# Altium PCB graviton.PcbDoc (part 1 of 15) (continued)
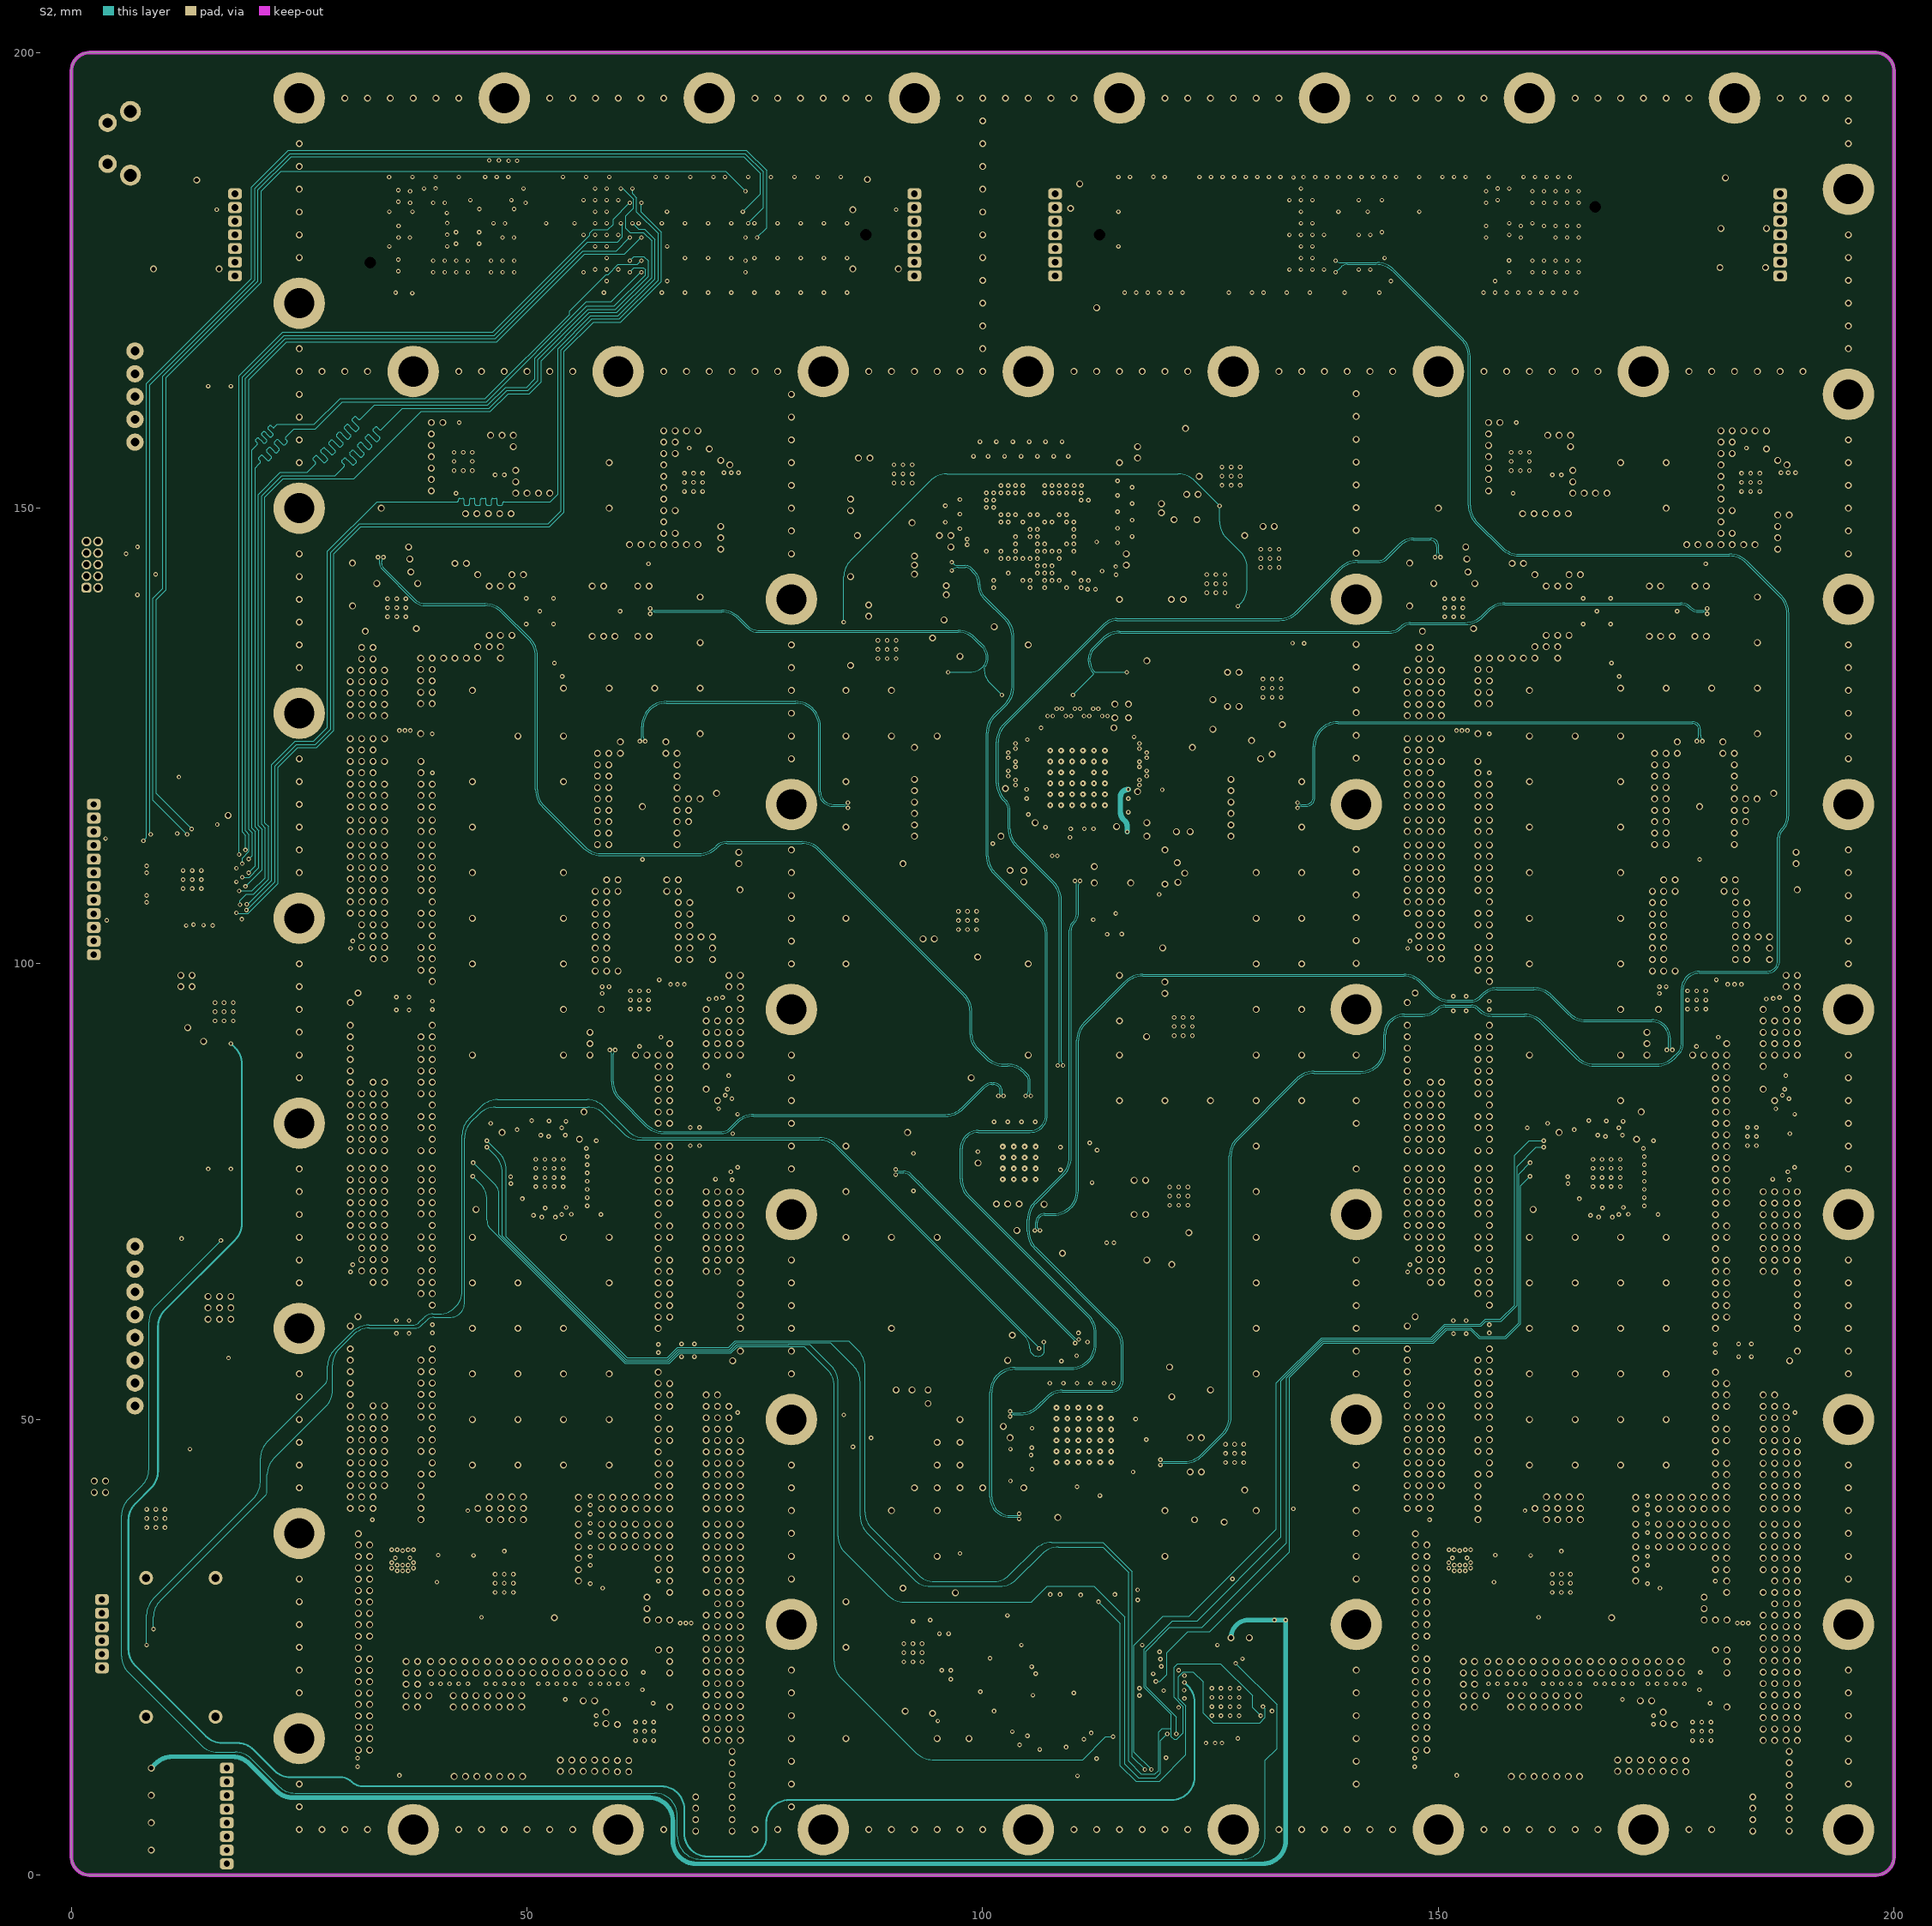
[diagram p8: S2]
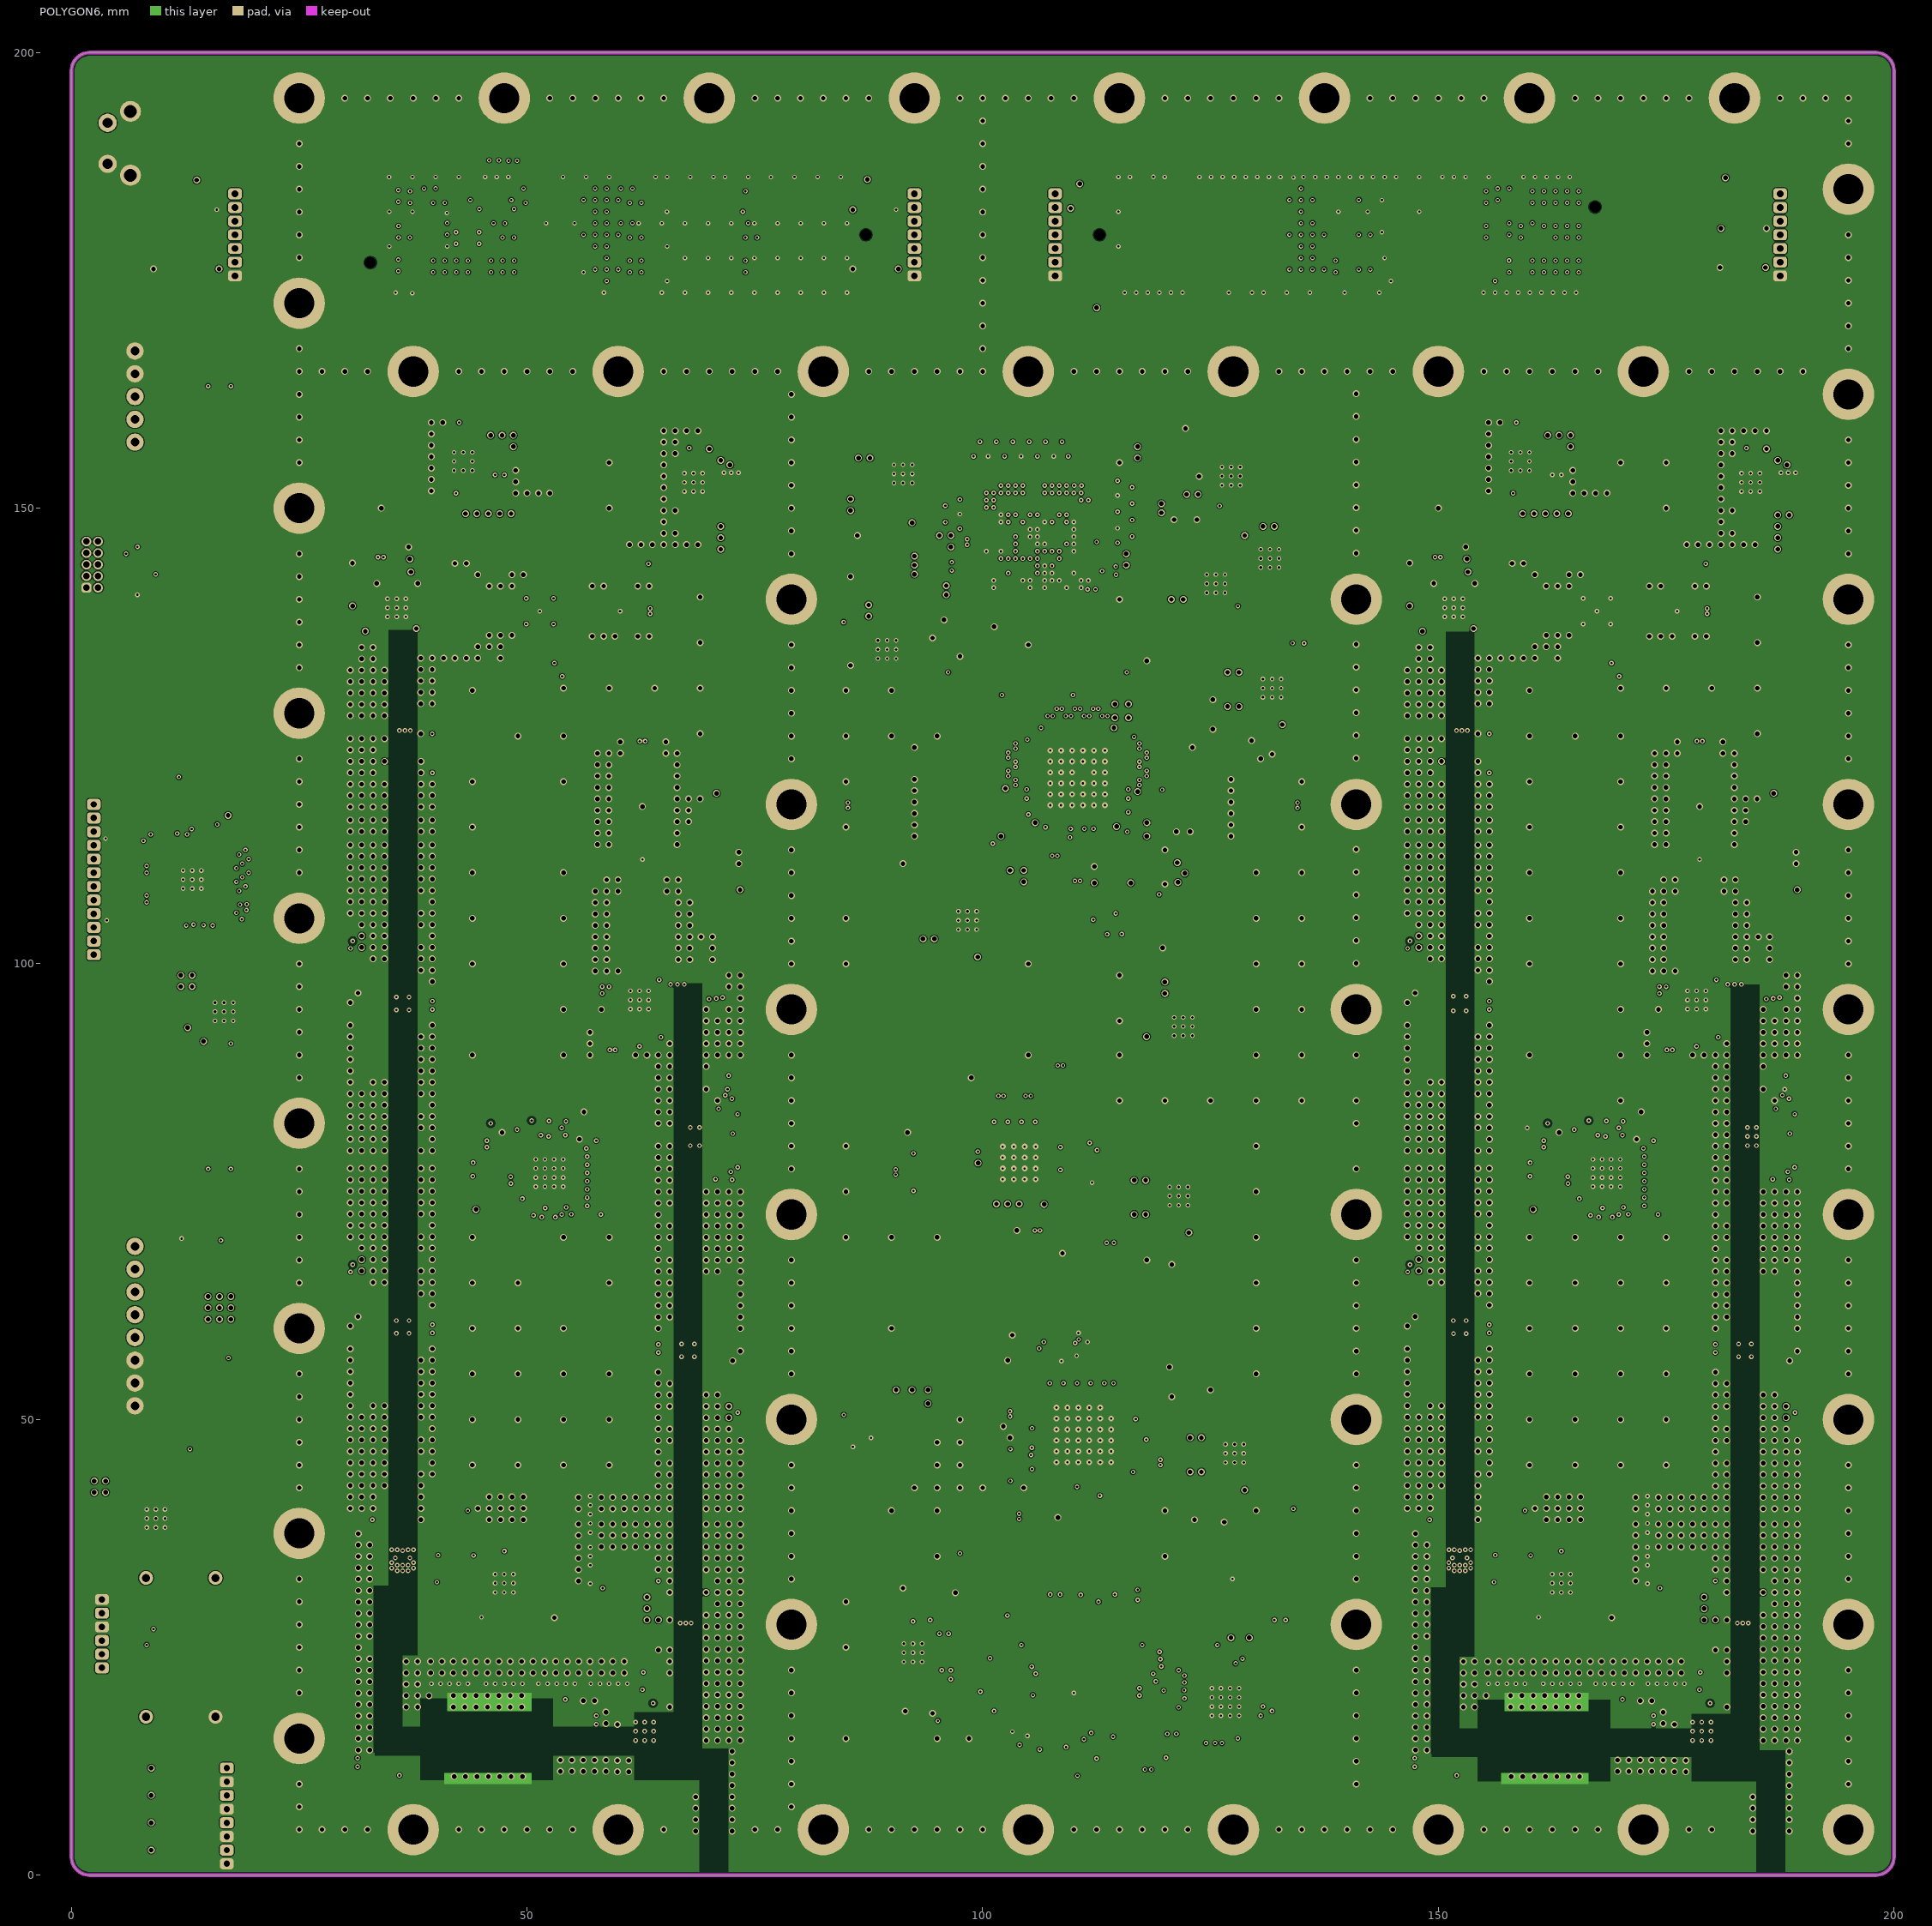
[diagram p9: POLYGON6]

## Layer stack, top to bottom
Top Solder: solder mask 0.0127, Solder Resist, Dk 4
TOP: signal copper 0.036
Dielectric1: prepreg 0.1727, Megtron6, Dk 4
POLYGON1: signal copper 0.071
Dielectric 4: core 0.1016, Megtron6, Dk 4
S1: signal copper 0.036
Dielectric 18: prepreg 0.0762, Megtron6, Dk 4
POLYGON2: signal copper 0.071
Dielectric 11: core 0.1016, Megtron6, Dk 4
POLYGON3: signal copper 0.071
Dielectric 13: core 0.1295, Megtron6, Dk 4
POLYGON4: signal copper 0.071
Dielectric 6: prepreg 0.1016, Megtron6, Dk 4
POLYGON5: signal copper 0.071
Dielectric 7: prepreg 0.0762, Megtron6, Dk 4
S2: signal copper 0.036
Dielectric 16: core 0.1016, Megtron6, Dk 4
POLYGON6: signal copper 0.071
Dielectric2: dielectric 0.32, FR-4, Dk 4.8
BOT: signal copper 0.036
Bottom Solder: solder mask 0.0127, Solder Resist, Dk 4

## Board outline
0,2 ccw(c2,2) 2,0 198,0 ccw(c198,2) 200,2 200,198 ccw(c198,198) 198,200 2,200 ccw(c2,198) 0,198

## Design rules (kind name [scope] priority, off if disabled: settings)
AssemblyTestPointUsage [All] p1 off:
AssemblyTestpoint [All] p1 off: testpointundercomponent=TRUE minsize=1.016 maxsize=2.54 preferedsize=1.524 minholesize=0 maxholesize=1.016 preferedholesize=0.813 testpointgrid=0.025 usegrid=TRUE gridtolerance=0 allowsidetop=TRUE allowsidebottom=TRUE
BoardOutlineClearance [All] p1: gap=0.381 ignorepadtopadclearanceinfootprint=FALSE
Clearance Clearance_eth [InNetClass('eth')] p1: gap=0.1 ignorepadtopadclearanceinfootprint=FALSE except(0.254: Arc-Arc Arc-Track Track-Track)
Clearance Clearance_Diff_100_L12_adj [InNetClass('z100diff12')] p2: gap=0.1 ignorepadtopadclearanceinfootprint=FALSE except(0.22: Arc-Arc Arc-Track Track-Track; 0.3: Arc-Poly Track-Poly)
Clearance Clearance_z50_L12 [InNetClass('z50l12')] p3: gap=0.254 ignorepadtopadclearanceinfootprint=FALSE except(0.1: Arc-SMDPad Arc-Via Track-SMDPad Track-Via SMDPad-SMDPad SMDPad-Via)
Clearance Clearance_Diff_100_L12 [InNetClass('z100diff12')] p4: gap=0.089 ignorepadtopadclearanceinfootprint=FALSE except(1.2: Arc-Poly Track-Poly Via-Poly)
Clearance Clearance_z50_L14 [InNetClass('z50l14')] p5: gap=0.1 ignorepadtopadclearanceinfootprint=FALSE except(1.158: Arc-Poly Track-Poly Fill-Poly)
Clearance [All] p6: gap=0.1 ignorepadtopadclearanceinfootprint=FALSE
ComponentClearance [All] p1 off: gap=0.254 collisioncheckmode=3 verticalgap=0.254 showdistances=FALSE
DiffPairsRouting DiffPairsRouting_100_L12 [InNetClass('z100diff12')] p1: maxlimit=0.254 minlimit=0.089 mostfreqgap=0.254 toplayer_maxgap=0.089 toplayer_prefgap=0.089 toplayer_minwidth=0.159 toplayer_maxwidth=0.356 toplayer_prefwidth=0.159 midlayer1_mingap=0.254 midlayer1_minwidth=0.381 midlayer1_maxwidth=0.381 midlayer1_prefwidth=0.381 midlayer2_mingap=0.114 midlayer2_maxgap=0.114 midlayer2_prefgap=0.114 midlayer2_minwidth=0.089 midlayer2_maxwidth=0.098 midlayer2_prefwidth=0.089 midlayer3_mingap=0.254 midlayer3_minwidth=0.381 midlayer3_maxwidth=0.381 midlayer3_prefwidth=0.381 midlayer4_mingap=0.254 midlayer4_minwidth=0.381 midlayer4_maxwidth=0.381 midlayer4_prefwidth=0.381 midlayer5_mingap=0.254 midlayer5_minwidth=0.381 midlayer5_maxwidth=0.381 midlayer5_prefwidth=0.381 midlayer6_mingap=0.114 midlayer6_maxgap=0.114 midlayer6_prefgap=0.114 midlayer6_minwidth=0.089 midlayer6_maxwidth=0.098 midlayer6_prefwidth=0.089 midlayer7_mingap=0.254 midlayer7_minwidth=0.381 midlayer7_maxwidth=0.381 midlayer7_prefwidth=0.381 midlayer8_mingap=0.254 midlayer8_minwidth=0.381 midlayer8_maxwidth=0.381 midlayer8_prefwidth=0.381 bottomlayer_maxgap=0.089 bottomlayer_prefgap=0.089 bottomlayer_minwidth=0.159 bottomlayer_maxwidth=0.356 bottomlayer_prefwidth=0.159 maxuncoupledlength=5.08
FabricationTestPointUsage [All] p1 off: valid=0 allowmultiple=FALSE
FabricationTestpoint [All] p1 off: side=3 testpointundercomponent=TRUE minsize=1.016 maxsize=2.54 preferedsize=1.524 minholesize=0 maxholesize=1.016 preferedholesize=0.813 testpointgrid=0.025 allowsidetop=TRUE allowsidebottom=TRUE usegrid=TRUE gridtolerance=0
FanoutControl Fanout_BGA [IsBGA] p1 off: bgadir=Out bgaviamode=Centered fanoutstyle=Auto fanoutdirection=Alternating viagrid=0.025 // Fanout_BGA (Default Rule)
FanoutControl Fanout_LCC [IsLCC] p2 off: bgadir=Out bgaviamode=Centered fanoutstyle=Auto fanoutdirection=Alternating viagrid=0.025 // Fanout_LCC (Default Rule)
FanoutControl Fanout_SOIC [IsSOIC] p3 off: bgadir=Out bgaviamode=Centered fanoutstyle=Auto fanoutdirection=Alternating viagrid=0.025 // Fanout_SOIC (Default Rule)
FanoutControl Fanout_Small [(CompPinCount < 5)] p4 off: bgadir=Out bgaviamode=Centered fanoutstyle=Auto fanoutdirection=OutThenIn viagrid=0.025 // Fanout_Small (Default Rule)
FanoutControl Fanout_Default [All] p5 off: bgadir=Out bgaviamode=Centered fanoutstyle=Auto fanoutdirection=Alternating viagrid=0.025 // Fanout_Default (Default Rule)
Height [IsComponent and OnTop and not (InComponent('J10') or InComponent('J9') or InComponent('J8') or InComponent('J7'))] p1: minheight=0 maxheight=1.75 prefheight=1.75
HoleSize [All] p1: absolutevalues=TRUE maxlimit=25.4 minlimit=0.254 maxpercent=80.000 minpercent=20.000
LayerPairs [All] p1 off: enforce=TRUE
Length Length_Short [InNetClass('short')] p1: maxlimit=12 minlimit=0
MatchedLengths [InNetClass('dac')] p1: tolerance=38.1 checknetsindiffpair=FALSE checkdiffpairvsdiffpair=TRUE checkxsignals=TRUE checkothers=TRUE
MinimumSolderMaskSliver [All] p1: minsoldermaskwidth=0.1
NetAntennae [All] p1 off: netantennaetolerance=0
PlaneClearance [All] p1: clearance=0.229
PlaneConnect [All] p1: planeconnectstyle=Direct reliefexpansion=0.508 reliefentries=4 reliefconductorwidth=0.254 reliefairgap=0.254
PolygonConnect PolygonConnectNoThermal [All vs InPolygonClass('NO_THERMAL')] p1: connectstyle=Direct reliefconductorwidth=0.254 reliefentries=4 polygonreliefangle="90 Angle" airgapwidth=0.254
PolygonConnect PolygonConnectVia [IsVia] p2: connectstyle=Direct reliefconductorwidth=0.254 reliefentries=4 polygonreliefangle="90 Angle" airgapwidth=0.254
PolygonConnect [All] p3: connectstyle=Direct reliefconductorwidth=0.2 reliefentries=4 polygonreliefangle="90 Angle" airgapwidth=0.1
RoomDefinition DSAA [InComponentClass('DSAA')] p1: confinementstyle=ConfineIn formatcopy=FALSE lockcomponents=FALSE outline 180,75.25 190,75.25 190,88.75 180,88.75
RoomDefinition PA-LDOB [InComponentClass('PA-LDOB')] p2: confinementstyle=ConfineIn formatcopy=TRUE lockcomponents=FALSE outline 44.5,20 64,20 64,42.5 44.5,42.5
RoomDefinition PA-LDOA [InComponentClass('PA-LDOA')] p3: confinementstyle=ConfineIn formatcopy=FALSE lockcomponents=FALSE outline 160.5,20 180,20 180,42.5 160.5,42.5
RoomDefinition LNATXB [InComponentClass('LNATXB')] p4: confinementstyle=ConfineIn formatcopy=FALSE lockcomponents=FALSE outline 40,117 40,133.25 30,133.25 30,117
RoomDefinition LNATXA [InComponentClass('LNATXA')] p5: confinementstyle=ConfineIn formatcopy=FALSE lockcomponents=FALSE outline 156,117 156,133.25 146,133.25 146,117
RoomDefinition SAWRXB [InComponentClass('SAWRXB')] p6: confinementstyle=ConfineIn formatcopy=FALSE lockcomponents=FALSE outline 64,36.25 74,36.25 74,39.75 64,39.75
RoomDefinition SAWRXA [InComponentClass('SAWRXA')] p7: confinementstyle=ConfineIn formatcopy=FALSE lockcomponents=FALSE outline 180,36.25 190,36.25 190,39.75 180,39.75
RoomDefinition PREAMP3B [InComponentClass('PREAMP3B')] p8: confinementstyle=ConfineIn formatcopy=FALSE lockcomponents=FALSE outline 30,42.5 40,42.5 40,78 30,78
RoomDefinition PREAMP3A [InComponentClass('PREAMP3A')] p9: confinementstyle=ConfineIn formatcopy=FALSE lockcomponents=FALSE outline 146,42.5 156,42.5 156,78 146,78
RoomDefinition PREAMP2B [InComponentClass('PREAMP2B')] p10: confinementstyle=ConfineIn formatcopy=FALSE lockcomponents=FALSE outline 30,78 40,78 40,113.5 30,113.5
RoomDefinition PREAMP2A [InComponentClass('PREAMP2A')] p11: confinementstyle=ConfineIn formatcopy=FALSE lockcomponents=FALSE outline 146,78 156,78 156,113.5 146,113.5
RoomDefinition SAWTXA [InComponentClass('SAWTXA')] p12: confinementstyle=ConfineIn formatcopy=FALSE lockcomponents=FALSE outline 146,113.5 156,113.5 156,117 146,117
RoomDefinition AMP1RXB [InComponentClass('AMP1RXB')] p13: confinementstyle=ConfineIn formatcopy=TRUE lockcomponents=FALSE outline 74,75.25 64,75.25 64,39.75 74,39.75
RoomDefinition AMP1RXA [InComponentClass('AMP1RXA')] p14: confinementstyle=ConfineIn formatcopy=FALSE lockcomponents=FALSE outline 190,75.25 180,75.25 180,39.75 190,39.75
RoomDefinition RXMIXA [InComponentClass('RXMIXA')] p15: confinementstyle=ConfineIn formatcopy=FALSE lockcomponents=FALSE outline 190,88.75 190,106.25 172.5,106.25 172.5,88.75
RoomDefinition LNAB [InComponentClass('LNAB')] p16: confinementstyle=ConfineIn formatcopy=TRUE lockcomponents=FALSE outline 64,36.25 64,20 74,20 74,36.25
RoomDefinition IFAMP1RXB [InComponentClass('IFAMP1RXB')] p17: confinementstyle=ConfineIn formatcopy=TRUE lockcomponents=FALSE outline 56.5,106.25 74,106.25 74,125 56.5,125
RoomDefinition IFAMP1RXA [InComponentClass('IFAMP1RXA')] p18: confinementstyle=ConfineIn formatcopy=FALSE lockcomponents=FALSE outline 172.5,106.25 190,106.25 190,125 172.5,125
RoomDefinition IFAMPTXB [InComponentClass('IFAMPTXB')] p19: confinementstyle=ConfineIn formatcopy=TRUE lockcomponents=FALSE outline 44,146.5 44,129 64,129 64,146.5
RoomDefinition IFAMPTXA [InComponentClass('IFAMPTXA')] p20: confinementstyle=ConfineIn formatcopy=FALSE lockcomponents=FALSE outline 160,146.5 160,129 180,129 180,146.5
RoomDefinition SAWTXB [InComponentClass('SAWTXB')] p21: confinementstyle=ConfineIn formatcopy=TRUE lockcomponents=FALSE outline 30,113.5 40,113.5 40,117 30,117
RoomDefinition VSWRB [InComponentClass('VSWRB')] p22: confinementstyle=ConfineIn formatcopy=TRUE lockcomponents=FALSE outline 59,10 59,20 30,20 30,10
RoomDefinition VSWRA [InComponentClass('VSWRA')] p23: confinementstyle=ConfineIn formatcopy=FALSE lockcomponents=FALSE outline 175,10 175,20 146,20 146,10
RoomDefinition V5NB [InComponentClass('V5NB')] p24: confinementstyle=ConfineIn formatcopy=TRUE lockcomponents=FALSE outline 64.5,159.5 64.5,145 73.5,145 73.5,159.5
RoomDefinition V5NA [InComponentClass('V5NA')] p25: confinementstyle=ConfineIn formatcopy=FALSE lockcomponents=FALSE outline 180.5,159.5 180.5,145 189.5,145 189.5,159.5
RoomDefinition V5B [InComponentClass('V5B')] p26: confinementstyle=ConfineIn formatcopy=TRUE lockcomponents=FALSE outline 54,148.5 54,160 39,160 39,148.5
RoomDefinition V5A [InComponentClass('V5A')] p27: confinementstyle=ConfineIn formatcopy=FALSE lockcomponents=FALSE outline 170,148.5 170,160 155,160 155,148.5
RoomDefinition TXMIXB [InComponentClass('TXMIXB')] p28: confinementstyle=ConfineIn formatcopy=TRUE lockcomponents=FALSE outline 30,145 30,133.25 44,133.25 44,145
RoomDefinition TXMIXA [InComponentClass('TXMIXA')] p29: confinementstyle=ConfineIn formatcopy=FALSE lockcomponents=FALSE outline 146,145 146,133.25 160,133.25 160,145
RoomDefinition SWB [InComponentClass('SWB')] p30: confinementstyle=ConfineIn formatcopy=TRUE lockcomponents=FALSE outline 59,10 74,10 74,20 59,20
RoomDefinition SWA [InComponentClass('SWA')] p31: confinementstyle=ConfineIn formatcopy=FALSE lockcomponents=FALSE outline 175,10 190,10 190,20 175,20
RoomDefinition RXMIXB [InComponentClass('RXMIXB')] p32: confinementstyle=ConfineIn formatcopy=TRUE lockcomponents=FALSE outline 74,88.75 74,106.25 56.5,106.25 56.5,88.75
RoomDefinition RFB [InComponentClass('RFB')] p33: confinementstyle=ConfineIn formatcopy=TRUE lockcomponents=FALSE outline 42.75,71.25 59,71.25 59,85 42.75,85
RoomDefinition RFA [InComponentClass('RFA')] p34: confinementstyle=ConfineIn formatcopy=TRUE lockcomponents=FALSE outline 158.75,71.25 175,71.25 175,85 158.75,85
RoomDefinition PAB [InComponentClass('PAB')] p35: confinementstyle=ConfineIn formatcopy=TRUE lockcomponents=FALSE outline 30,20 44.5,20 44.5,42.5 30,42.5
RoomDefinition PAA [InComponentClass('PAA')] p36: confinementstyle=ConfineIn formatcopy=FALSE lockcomponents=FALSE outline 146,20 160.5,20 160.5,42.5 146,42.5
RoomDefinition LNAA [InComponentClass('LNAA')] p37: confinementstyle=ConfineIn formatcopy=FALSE lockcomponents=FALSE outline 180,36.25 180,20 190,20 190,36.25
RoomDefinition DSAB [InComponentClass('DSAB')] p38: confinementstyle=ConfineIn formatcopy=TRUE lockcomponents=FALSE outline 64,75.25 74,75.25 74,88.75 64,88.75
RoutingVias [All] p1: holewidth=0.254 width=0.483 viastyle="Through Hole" minholewidth=0.254 minwidth=0.483 maxholewidth=0.711 maxwidth=1.27
SilkToSilkClearance [All] p1 off: silktosilkclearance=0.254
SilkToSolderMaskClearance SilkscreenOverComponentPads [IsPad] p1: minsilkscreentomaskgap=0.1 clearancetoexposedcopper=FALSE
SolderMaskExpansion [All] p1: expansion=0.05
Width Width_z50 [InNetClass('z50l14')] p1: maxlimit=2.54 minlimit=0.098 preferedwidth=0.356 toplayer_minwidth=0.1 toplayer_maxwidth=0.914 toplayer_prefwidth=0.914 midlayer1_minwidth=0.356 midlayer1_maxwidth=0.356 midlayer2_prefwidth=0.098 midlayer3_minwidth=0.356 midlayer3_maxwidth=0.356 midlayer4_minwidth=0.356 midlayer4_maxwidth=0.356 midlayer5_minwidth=0.356 midlayer5_maxwidth=0.356 midlayer6_prefwidth=0.098 midlayer7_minwidth=0.356 midlayer7_maxwidth=0.356 midlayer8_minwidth=0.356 midlayer8_maxwidth=0.356 bottomlayer_minwidth=0.1 bottomlayer_maxwidth=0.914 bottomlayer_prefwidth=0.914 minimp=50.000000 maximp=50.000000 favimp=50.000000
Width Width_z50_L12 [InNetClass('z50l12') OR InNetClass('spi')] p2: maxlimit=0.914 minlimit=0.098 preferedwidth=0.356 toplayer_minwidth=0.1 midlayer1_minwidth=0.356 midlayer1_maxwidth=0.356 midlayer2_maxwidth=0.098 midlayer2_prefwidth=0.098 midlayer3_minwidth=0.356 midlayer3_maxwidth=0.356 midlayer4_minwidth=0.356 midlayer4_maxwidth=0.356 midlayer5_minwidth=0.356 midlayer5_maxwidth=0.356 midlayer6_maxwidth=0.098 midlayer6_prefwidth=0.098 midlayer7_minwidth=0.356 midlayer7_maxwidth=0.356 midlayer8_minwidth=0.356 midlayer8_maxwidth=0.356 bottomlayer_minwidth=0.1 minimp=50.000000 maximp=50.000000 favimp=50.000000
Width [All] p3: maxlimit=5.08 minlimit=0.095 preferedwidth=0.095
10 further rules are at their usual default settings.

## Classes and differential pairs
net class rf: A6A_N A6A_P A6B_N A6B_P A8A_N A8A_P A8B_N A8B_P D1_28_N D1_28_P D2_28_N D2_28_P IN-BA_N IN-BA_P IN-BB_N IN-BB_P TX-A.S_2_N TX-A.S_2_P TX-B.S_2_N TX-B.S_2_P
channel class adc-amp: ADC-AMPA ADC-AMPB
component class ADC-ANALOG: C94 C95 C96 C97 C193 C204 C205
component class ADC-AMPA: C90A C91A C92A C93A C201A C203A R23A R24A R25A R26A R29A R30A TP17A TP27A U6A
net class short: A3A_N A3A_P A3B_N A3B_P A4A_N A4A_P A4B_N A4B_P CLK-40_T NetC385_1 NetC385_2 NetC386_1 NetR90A_1 NetR90B_1 NetR91A_1 NetR91B_1 NetU1_37 RI1A_N RI1A_P RI1B_N RI1B_P RI2A_N RI2A_P RI2B_N RI2B_P RI3A_N RI3A_P RI3B_N RI3B_P RI4A_N RI4A_P RI4B_N RI4B_P RI5A_N RI5A_P RI5B_N RI5B_P RM_FA_N RM_FA_P RM_FB_N RM_FB_P TI1A_N TI1A_P TI1B_N TI1B_P TI2A_N TI2A_P TI2B_N TI2B_P TI3A_N TI3A_P TI3B_N TI3B_P TI4A_N TI4A_P TI4B_N TI4B_P TI5A_P TI5B_P TI6A_P TI6B_P TMA_N TMA_P TMB_N TMB_P
component class LNATXB: C348D C349D C350D C351D C352D C353D C354D L27D L28D L29D R124D R125D R126D R127D U26D
component class LNATXA: C348B C349B C350B C351B C352B C353B C354B L27B L28B L29B R124B R125B R126B R127B U26B
component class LNAB: C348C C349C C350C C351C C352C C353C C354C L27C L28C L29C R124C R125C R126C R127C U26C
component class LNAA: C348A C349A C350A C351A C352A C353A C354A L27A L28A L29A R124A R125A R126A R127A U26A
channel class saw: SAWRXA SAWRXB SAWTXA SAWTXB
component class SAWRXB: U55C
component class SAWRXA: U55A
channel class amp-33dbm: AMP1RXA AMP1RXB PREAMP2A PREAMP2B PREAMP3A PREAMP3B
net class z100diff12: A6A_N A6A_P A6B_N A6B_P A8A_N A8A_P A8B_N A8B_P ADC0-LVDS.ADC-D0_2_N ADC0-LVDS.ADC-D0_2_P ADC0-LVDS.ADC-D1_2_N ADC0-LVDS.ADC-D1_2_P ADC0-LVDS.ADC-D2_2_N ADC0-LVDS.ADC-D2_2_P ADC0-LVDS.ADC-D3_2_N ADC0-LVDS.ADC-D3_2_P ADC0-LVDS.ADC-D4_2_N ADC0-LVDS.ADC-D4_2_P ADC0-LVDS.ADC-D5_2_N ADC0-LVDS.ADC-D5_2_P ADC0-LVDS.ADC-D6_2_N ADC0-LVDS.ADC-D6_2_P ADC0-LVDS.ADC-D7_2_N ADC0-LVDS.ADC-D7_2_P ADC0-LVDS.ADC-D8_2_N ADC0-LVDS.ADC-D8_2_P ADC0-LVDS.ADC-D9_2_N ADC0-LVDS.ADC-D9_2_P ADC0-LVDS.ADC-D10_2_N ADC0-LVDS.ADC-D10_2_P ADC0-LVDS.ADC-D11_2_N ADC0-LVDS.ADC-D11_2_P ADC0-LVDS.ADC-D12_2_N ADC0-LVDS.ADC-D12_2_P ADC0-LVDS.ADC-D13_2_N ADC0-LVDS.ADC-D13_2_P ADC0-LVDS.ADC-D14_2_N ADC0-LVDS.ADC-D14_2_P ADC0-LVDS.ADC-D15_2_N ADC0-LVDS.ADC-D15_2_P ADC0-LVDS.ADC-DCLK_2_N ADC0-LVDS.ADC-DCLK_2_P ADC0-LVDS.ADC-SYNC_2_N ADC0-LVDS.ADC-SYNC_2_P ADC-CLK.C_2_N ADC-CLK.C_2_P CLIENT-CLK.C_2_N CLIENT-CLK.C_2_P CLKIN_T_21_N CLKIN_T_21_P D0_T_27_N D0_T_27_P D1_28_N D1_28_P D2_28_N D2_28_P D12_T_27_N D12_T_27_P DAC-CLK.C_2_N DAC-CLK.C_2_P DAC-LVDS.DAC-D0_2_N DAC-LVDS.DAC-D0_2_P DAC-LVDS.DAC-D1_2_N DAC-LVDS.DAC-D1_2_P DAC-LVDS.DAC-D2_2_N DAC-LVDS.DAC-D2_2_P DAC-LVDS.DAC-D3_2_N DAC-LVDS.DAC-D3_2_P DAC-LVDS.DAC-D4_2_N DAC-LVDS.DAC-D4_2_P DAC-LVDS.DAC-D5_2_N DAC-LVDS.DAC-D5_2_P DAC-LVDS.DAC-D6_2_N DAC-LVDS.DAC-D6_2_P DAC-LVDS.DAC-D7_2_N DAC-LVDS.DAC-D7_2_P DAC-LVDS.DAC-D8_2_N DAC-LVDS.DAC-D8_2_P DAC-LVDS.DAC-D9_2_N DAC-LVDS.DAC-D9_2_P DAC-LVDS.DAC-D10_2_N DAC-LVDS.DAC-D10_2_P DAC-LVDS.DAC-D11_2_N DAC-LVDS.DAC-D11_2_P DAC-LVDS.DAC-D12_2_N DAC-LVDS.DAC-D12_2_P DAC-LVDS.DAC-D13_2_N DAC-LVDS.DAC-D13_2_P DAC-LVDS.DAC-D14_2_N DAC-LVDS.DAC-D14_2_P DAC-LVDS.DAC-D15_2_N DAC-LVDS.DAC-D15_2_P DAC-LVDS.DAC-DCLK_2_N DAC-LVDS.DAC-DCLK_2_P DAC-LVDS.DAC-FRAME_2_N DAC-LVDS.DAC-FRAME_2_P DAC-LVDS.DAC-OSTR_2_N DAC-LVDS.DAC-OSTR_2_P DAC-LVDS.DAC-PARITY_2_N DAC-LVDS.DAC-PARITY_2_P DAC-LVDS.DAC-SYNC_2_N DAC-LVDS.DAC-SYNC_2_P DAC-OSTR_T_27_N DAC-OSTR_T_27_P DACCLK_T_27_N DACCLK_T_27_P DCLK_T_27_N DCLK_T_27_P FRAME_T_27_N FRAME_T_27_P IN-BA_N IN-BA_P IN-BB_N IN-BB_P IOUTB_28_N IOUTB_28_P IOUTC_28_N IOUTC_28_P LO-CLK.C_34_N LO-CLK.C_34_P PARITY_T_27_N PARITY_T_27_P RX-A.S_2_N RX-A.S_2_P RX-B.S_2_N RX-B.S_2_P RX-LO-A.C_2_N RX-LO-A.C_2_P RX-LO-B.C_2_N RX-LO-B.C_2_P RX_MIXA_N RX_MIXA_P RX_MIXB_N RX_MIXB_P SYNC_T_27_N SYNC_T_27_P SYNCIN_T_21_N SYNCIN_T_21_P TX-A.S_2_N TX-A.S_2_P TX-B.S_2_N TX-B.S_2_P TX-LO-A.C_2_N TX-LO-A.C_2_P TX-LO-B.C_2_N TX-LO-B.C_2_P VXO_34_N VXO_34_P